# Allegro board 6089-119-RevB_08.brd (continued)
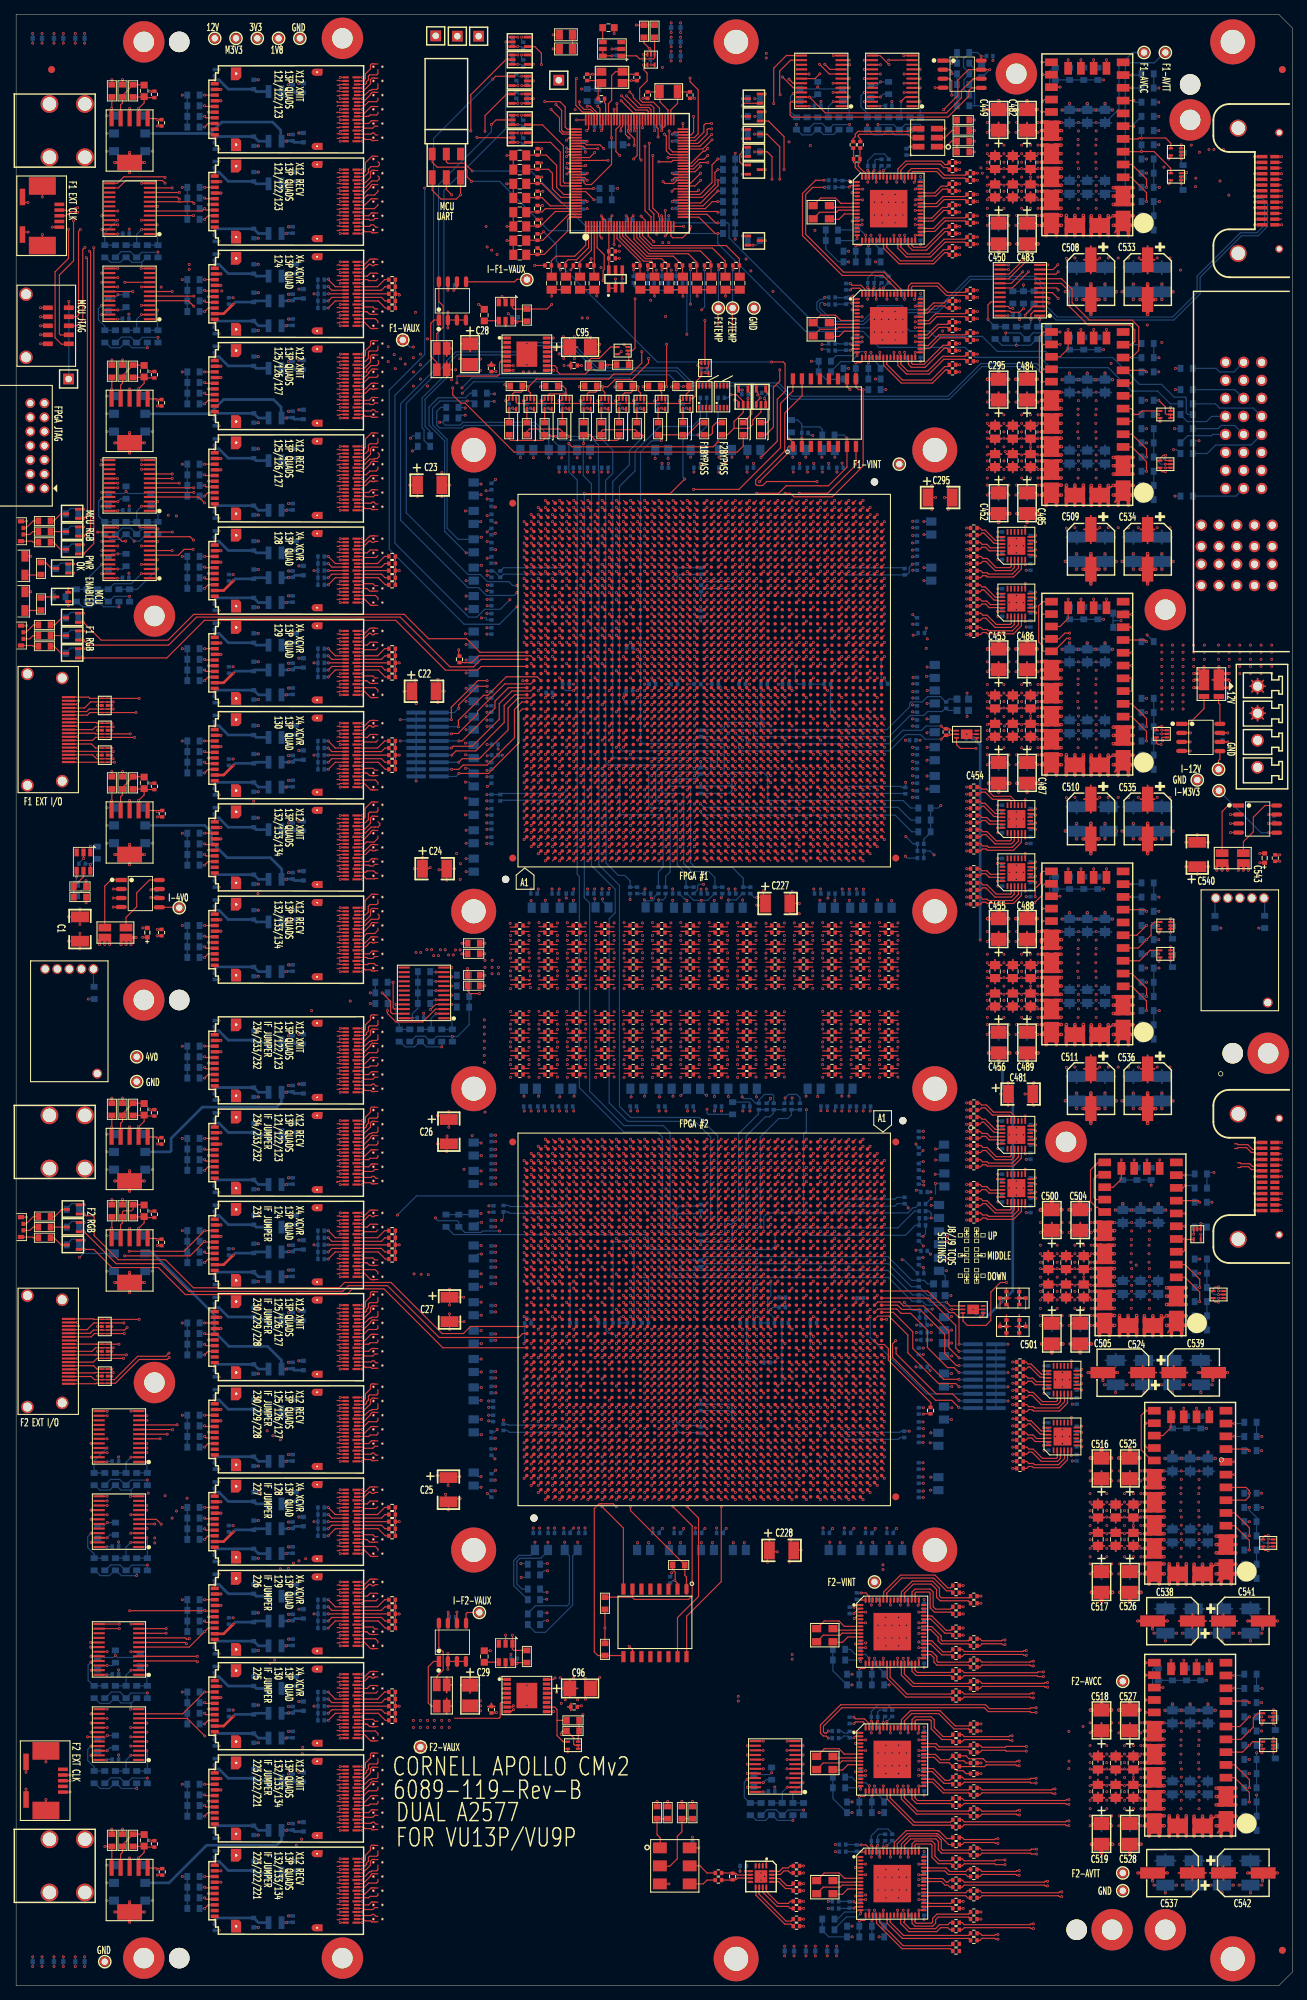
[diagram p0: board, top side]
## Routing (per net, layer and track width the routed paths; a pad name or vN(x,y) marks a point on that pad's centre or on a via; arc(x,y) is an arc through that point) (continued)
I2C_SCL_FPGAS: length 159.9
  TOP w0.165: v1(53.15,141.4) 53.15,137.79 53.32,137.62 U44.22 ; U68.95 80.7,261.65 v1(80.45,261.4)
  PWR4 w0.152: v1(80.55,235) 79.25,233.7 79.25,233.65 79.1,233.5 62.2,233.5 61.6,234.1 53.45,234.1 51.6,232.25 50.5,232.25 49.35,231.1 49.35,143.5 51.45,141.4 v1(53.15,141.4)
  SIG4 w0.079: v1(80.55,235) 80.55,249.05 80.85,249.35 80.85,261 v1(80.45,261.4)
  BOTTOM w0.165: v1(53.15,141.4) R495.1
I2C_SCL_PWR: length 67.3
  TOP w0.165: U68.49 95.7,255.6 v1(96.5,256.4) ; v1(140.5,236.35) 140.1,236.35 139.82,236.62 U102.22
  SIG3 w0.079: v1(96.5,256.4) 97.5,256.4 98.55,255.35 99.75,255.35 99.99,255.59 102.54,255.59 102.79,255.35 118.95,255.35 119.4,254.9 126.65,254.9 127.1,255.35 127.95,255.35 128.35,254.95 135.75,254.95 v1(136.2,255.4)
  SIG4 w0.079: v1(136.2,255.4) 136.2,240.65 v1(140.5,236.35)
  BOTTOM w0.165: R285.1 v1(140.5,236.35)
I2C_SCL_SYN_R0A: length 28.8
  TOP w0.165: U84.5 v1(117.43,267.43) ; U86.16 v1(118.55,246.19)
  SIG4 w0.079: v1(118.55,246.19) 120.03,246.19 120.12,246.29 120.12,248.53 116.75,251.9 116.75,266.74 v1(117.43,267.43)
  BOTTOM w0.165: v1(118.55,246.19) 118.26,245.9 R365.1
I2C_SCL_SYN_R0B: length 51.6
  TOP w0.165: U84.7 v1(117.43,268.73) ; U87.16 v1(118.55,229.69)
  SIG4 w0.079: v1(118.55,229.69) 117.06,229.69 113.25,233.5 113.25,264.4 112.95,264.7 112.95,266.4 115.27,268.73 v1(117.43,268.73)
  BOTTOM w0.165: R372.1 114.86,227.46 116.25,228.85 117.71,228.85 v1(118.55,229.69)
I2C_SCL_SYN_R1A: length 459.5
  TOP w0.165: v1(114,270.75) 114.72,270.02 U84.9 ; U91.16 v1(119.05,10.19)
  PWR3 w0.152: v1(39.5,19.8) 48.95,19.8 50.4,18.35 51.89,18.35 60.04,10.19 v1(119.05,10.19)
  PWR4 w0.152: v1(114,270.75) 111.7,273.05 105.1,273.05 103.79,271.74 92.31,271.74 91.53,272.52 88.62,272.52 88.62,272.52 88.3,272.52 88.3,272.52 75.9,272.52 75.88,272.49 75.54,272.49 75.52,272.52 48.67,272.52 48.39,272.24 26.14,272.24 16.8,262.9 16.8,238.95 16.86,238.89 16.86,238.56 16.8,238.5 16.8,204.33 15.2,202.73 15.2,172.1 3.1,160 3.1,133.3 20.7,115.7 20.7,87.4 21.64,86.46 21.64,85.91 21.66,85.89 21.66,84.11 21.64,84.09 21.64,78.06 21.8,77.9 21.8,66.67 22.41,66.07 22.41,34.74 37.35,19.8 v1(39.5,19.8)
  BOTTOM w0.165: v1(119.05,10.19) 118.56,9.7 117.05,9.7 115.36,8.01 R369.1
I2C_SCL_SYN_R1B: length 392
  TOP w0.165: U84.11 v1(117.43,271.32) ; U90.16 v1(119.05,27.69)
  PWR3 w0.152: v1(119.05,27.69) 119.01,27.65 117.1,27.65 111.75,33 111.75,34.3 93.03,53.02 74.74,53.02 73.42,51.7 46.3,51.7 45.05,52.95 43.55,52.95 38.4,58.1 v1(38.4,58.8)
  PWR4 w0.152: v1(38.4,58.8) 32.05,65.15 32.05,256.95 33.58,258.48 52.33,258.48 58.7,264.85 75.74,264.85 75.93,264.66 76.27,264.66 76.46,264.85 79.8,264.85 80.5,265.55 83.6,265.55 86,267.95 114.06,267.95 v1(117.43,271.32)
  BOTTOM w0.165: v1(119.05,27.69) 118.84,27.9 R363.1
I2C_SCL_SYN_R1C: length 370.5
  TOP w0.165: U84.14 109.17,271.32 107.63,269.78 107.63,266.52 v1(107.7,266.45) ; U89.16 v1(119.05,45.69)
  PWR3 w0.152: v1(119.05,45.69) 117.91,45.69 107.15,56.45 92.3,56.45 91.7,57.05 64.3,57.05 62.5,58.85 40.9,58.85 v1(39.88,59.88)
  PWR4 w0.152: v1(107.7,266.45) 107.4,266.15 105.35,266.15 105.1,266.4 89.55,266.4 86.5,263.35 75.65,263.35 75.2,262.9 60.25,262.9 51.65,254.3 49.7,254.3 47.6,256.4 45.41,256.4 44.06,255.05 38.7,255.05 33.75,250.1 33.75,167.22 33.91,167.07 33.91,166.73 33.69,166.52 33.69,67.21 39.88,61.02 v1(39.88,59.88)
  BOTTOM w0.165: v1(119.05,45.69) 118.84,45.9 R361.1
I2C_SCL_V_3V3_1V8: length 93.9
  TOP w0.165: v1(145.6,237.75) 145.43,237.93 U102.5 ; U108.10 v1(157.25,153.43)
  SIG4 w0.079: v1(145.6,237.75) 145.6,237.7 147.8,235.5 147.8,229.05 150.5,226.35 150.5,212.45 149.9,211.85 149.9,196.2 150.66,195.44 150.66,189.07 150.9,188.83 150.9,162.5 157.65,155.75 157.65,153.82 v1(157.25,153.43)
  BOTTOM w0.165: v1(157.25,153.43) 157.28,153.4 R234.1
I2C_SCL_V_F1_INT_A: length 57
  TOP w0.165: U107.10 v1(157.25,191.43) ; U102.7 146.62,239.22 v1(146.9,238.95)
  SIG4 w0.079: v1(146.9,238.95) 155.8,230.05 155.8,201.29 156.6,200.49 156.6,194.6 157.7,193.5 157.7,191.87 v1(157.25,191.43)
  BOTTOM w0.165: R248.1 157.23,191.4 v1(157.25,191.43)
I2C_SCL_V_F1_INT_B: length 25.2
  TOP w0.165: U102.9 147.38,240.53 148.85,239.05 148.85,237.15 151.3,234.7 157.3,234.7 158.25,233.75 158.25,230.42 v1(157.25,229.43) U106.10
  BOTTOM w0.165: v1(157.25,229.43) 157.28,229.4 R216.1
I2C_SCL_V_F2_INT_A: length 181.5
  TOP w0.165: v1(146.85,242.5) 146.18,241.82 144.3,241.82 ; 170.55,77.42 v1(171.75,77.42)
  SIG4 w0.079: v1(171.75,77.42) 172.5,78.17 172.5,79.55 160.85,91.2 160.85,109.88 160.4,110.33 160.4,122.86 158.8,124.46 158.8,200.25 157.95,201.1 157.95,205.21 157.86,205.31 157.86,205.59 157.95,205.69 157.95,229.95 150.8,237.1 150.8,237.8 147.75,240.85 147.75,241.6 v1(146.85,242.5)
  BOTTOM w0.165: v1(171.75,77.42) 171.78,77.4 R151.1
I2C_SCL_V_F2_INT_B: length 151.1
  TOP w0.165: 138.7,241.82 v1(139.88,241.82) ; v1(164.8,112.75) 164.47,112.42 163.55,112.42
  SIG4 w0.079: v1(164.8,112.75) 162.4,115.15 162.4,129.21 162.31,129.31 162.31,129.59 162.4,129.69 162.4,142 162.25,142.15 162.25,150.38 162.4,150.53 162.4,163.8 161.6,164.6 161.6,167.4 160.85,168.15 160.85,177.65 161.15,177.95 161.15,189.8 159.1,191.85 159.1,208.5 158.5,209.1 158.5,231.05 149.83,239.72 149.83,240.21 147.17,242.87 146.52,242.87 143.7,240.05 141.65,240.05 v1(139.88,241.82)
  BOTTOM w0.165: v1(164.8,112.75) 165.79,112.75 R174.1
I2C_SDA_CLOCKS: length 55.7
  TOP w0.165: v1(97.5,258.9) 97.1,258.5 96.85,258.5 95.15,256.8 U68.52 ; U93.5 134.67,267.42 134.3,267.05 134.3,266.25 131.35,263.3 109.4,263.3 109.1,263.6 109.1,265.31 109.27,265.48 v1(109.6,265.48) 110.7,265.48
  SIG3 w0.079: v1(97.5,258.9) 98.5,258.9 99.4,259.8 v1(108.95,259.8)
  SIG4 w0.079: v1(109.6,265.48) 108.95,264.83 v1(108.95,259.8)
  BOTTOM w0.165: R379.1 110.44,265.48 v1(109.6,265.48)
I2C_SDA_F1_FF1_RECV: length 10.1
  TOP w0.165: U14.6 26.25,250.07 v1(26.57,250.4) 26.77,250.2 U25.7
  BOTTOM w0.165: R544.1 v1(26.57,250.4)
I2C_SDA_F1_FF1_XMIT: length 21.7
  TOP w0.165: v1(26.57,263.4) 26.77,263.2 U24.7 ; U14.4 v1(17.67,248.78)
  SIG2 w0.079: v1(17.67,248.78) 18.65,249.76 18.65,255.48 v1(26.57,263.4)
  BOTTOM w0.165: R540.1 v1(26.57,263.4)
I2C_SDA_F1_FF2_RECV: length 56.2
  TOP w0.165: U28.7 26.77,211.2 v1(26.57,211.4) ; U14.13 14.28,253.97 15.19,254.89 20.91,254.89 v1(21,254.8)
  SIG2 w0.079: v1(26.57,211.4) 26.57,212.08 21.63,217.02 21.63,253.48 21.75,253.6 21.75,254.05 v1(21,254.8)
  BOTTOM w0.165: R556.1 v1(26.57,211.4)
I2C_SDA_F1_FF2_XMIT: length 36.6
  TOP w0.165: v1(26.57,224.4) 26.77,224.2 U27.7 ; U14.10 v1(23,252.68)
  SIG2 w0.079: v1(23,252.68) 22.5,252.18 22.5,250.65 23.77,249.38 23.77,236.28 24.85,235.2 24.85,226.12 v1(26.57,224.4)
  BOTTOM w0.165: R552.1 v1(26.57,224.4)
I2C_SDA_F1_FF3_RECV: length 80.7
  TOP w0.165: U17.13 v1(12.07,214.97) ; U33.7 26.77,146.2 v1(26.57,146.4)
  SIG2 w0.079: v1(26.57,146.4) 23.9,146.4 10.95,159.35 10.95,212.5 12.45,214 12.45,214.59 v1(12.07,214.97)
  BOTTOM w0.165: R576.1 v1(26.57,146.4)
I2C_SDA_F1_FF3_XMIT: length 61.9
  TOP w0.165: U17.10 v1(17.67,213.68) ; v1(26.57,159.4) 26.77,159.2 U32.7
  SIG2 w0.079: v1(17.67,213.68) 17,213.01 17,182.75 20.3,179.45 20.3,166.4 26.57,160.13 v1(26.57,159.4)
  BOTTOM w0.165: R572.1 v1(26.57,159.4)
I2C_SDA_F1_FF4_XCVR: length 23.5
  TOP w0.165: v1(25.08,251.15) 25.1,251.15 24.88,251.38 23.21,251.38 23.17,251.34 22.83,251.34 22.79,251.38 U14.8 ; v1(26.57,237.4) 26.77,237.2 U26.7
  SIG2 w0.079: v1(26.57,237.4) 26.57,238.12 27.15,238.7 27.15,249.08 v1(25.08,251.15)
  BOTTOM w0.165: R548.1 v1(26.57,237.4)
I2C_SDA_F1_FF5_XCVR: length 21.2
  TOP w0.165: v1(26.55,208.95) 25.73,209.78 U17.4 ; U29.7 26.77,198.2 v1(26.57,198.4)
  SIG2 w0.079: v1(26.57,198.4) 26.15,198.82 26.15,208.55 v1(26.55,208.95)
  BOTTOM w0.165: R560.1 v1(26.57,198.4)
I2C_SDA_F1_FF6_XCVR: length 35.2
  TOP w0.165: v1(26.57,185.4) 26.77,185.2 U30.7 ; U17.6 v1(25.05,211.07)
  SIG2 w0.079: v1(26.57,185.4) 24.5,187.47 24.5,210.53 v1(25.05,211.07)
  BOTTOM w0.165: R564.1 v1(26.57,185.4)
I2C_SDA_F1_FF7_XCVR: length 47.6
  TOP w0.165: v1(26.57,172.4) 26.77,172.2 U31.7 ; U17.8 v1(22,212.38)
  SIG2 w0.079: v1(26.57,172.4) 24.75,174.22 24.75,174.8 22.6,176.95 22.6,200.85 21.64,201.81 21.64,202.06 21.63,202.07 21.63,204.95 22,205.32 v1(22,212.38)
  BOTTOM w0.165: R568.1 v1(26.57,172.4)
I2C_SDA_F1_GENERIC: length 64.6
  TOP w0.165: U44.8 v1(61.4,140.88) ; U75.J32 v1(79.61,190.29)
  SIG2 w0.079: v1(79.61,190.29) 79.61,190.26 79.15,189.8 71.45,189.8 71.15,189.5 71.15,184.12 71.08,184.04 71.08,183.76 71.15,183.68 71.15,171.25 61.2,161.3 61.2,146.01 60.6,145.4 60.6,141.68 v1(61.4,140.88)
  BOTTOM w0.165: R476.1 61.43,140.9 v1(61.4,140.88)
I2C_SDA_F1_GTY_PWR: length 39.8
  TOP w0.165: U102.15 139.97,241.18 141.95,243.15 v1(141.95,243.7) ; U105.11 v1(157.25,269.23)
  SIG2 w0.079: v1(141.95,243.7) 142.95,243.7 145.65,246.4 145.65,253.61 146.99,254.95 146.99,255.02 147.19,255.22 147.26,255.22 150.04,258.01 150.04,258.07 150.9,258.93 150.9,261.69 157.25,268.04 v1(157.25,269.23)
  BOTTOM w0.165: v1(157.25,269.23) 158.46,269.23 R203.1
I2C_SDA_F1_OPTICS: length 142.5
  TOP w0.165: U17.23 v1(12.1,208.47) ; v1(92.05,261.35) 92.05,258.9 92.55,258.4 U68.56 ; U14.23 v1(12.1,247.47)
  SIG2 w0.079: v1(12.1,208.47) 13,209.38 13,217.85 12.2,218.65 12.2,234.45 11.7,234.95 11.7,247.08 v1(12.1,247.47)
  SIG3 w0.079: v1(92.05,261.35) 91.05,262.35 73,262.35 67.07,268.28 67.05,268.28 66.83,268.5 66.83,268.52 64.2,271.15 51.15,271.15 37.5,271.15 26.7,260.35 23.6,260.35 17.57,254.32 17.55,254.32 17.35,254.12 17.35,254.1 12.1,248.85 v1(12.1,247.47)
  BOTTOM w0.165: v1(12.1,208.47) 12.16,208.54 R660.1
I2C_SDA_F1_SYSMON: length 80.6
  TOP w0.165: U75.BC16 v1(114.39,173.51) ; U44.10 v1(61.4,142.18)
  SIG1 w0.079: v1(114.39,173.51) 114.36,173.51 113.95,173.1 73.23,173.1 73.15,173.02 73.15,155.8 65.05,147.7 65.05,144.25 62.98,142.18 v1(61.4,142.18)
  BOTTOM w0.165: v1(61.4,142.18) 61.91,142.18 R475.1
I2C_SDA_F2_FF1_RECV: length 47.1
  TOP w0.165: U9.6 v1(20.3,77.08) ; U35.7 26.77,116.2 v1(26.57,116.4)
  SIG1 w0.079: v1(26.57,116.4) 24.45,114.28 24.45,93.8 23.5,92.85 23.5,82.9 20.35,79.75 20.35,77.12 v1(20.3,77.08)
  BOTTOM w0.165: R584.1 v1(26.57,116.4)
I2C_SDA_F2_FF1_XMIT: length 61.2
  TOP w0.165: v1(26.57,129.4) 26.77,129.2 U34.7 ; U9.4 v1(18.43,75.78)
  SIG1 w0.079: v1(26.57,129.4) 17.75,120.58 17.75,113.56 17.74,113.54 17.74,113.26 17.75,113.25 17.75,99.26 17.74,99.24 17.74,98.96 17.75,98.95 17.75,93.1 17.38,92.73 17.38,76.83 v1(18.43,75.78)
  BOTTOM w0.165: R580.1 v1(26.57,129.4)
I2C_SDA_F2_FF2_RECV: length 18.6
  TOP w0.165: U38.7 26.77,77.2 v1(26.57,77.4) ; U9.13 v1(12.83,80.97)
  SIG3 w0.079: v1(26.57,77.4) 22.4,77.4 21.25,78.55 15.26,78.55 v1(12.83,80.97)
  BOTTOM w0.165: R596.1 v1(26.57,77.4)
I2C_SDA_F2_FF2_XMIT: length 17.5
  TOP w0.165: v1(26.57,90.4) 26.77,90.2 U37.7 ; U9.10 v1(18.45,79.67)
  SIG4 w0.079: v1(18.45,79.67) 25.85,87.08 25.85,89.68 v1(26.57,90.4)
  BOTTOM w0.165: R592.1 v1(26.57,90.4)
I2C_SDA_F2_FF3_RECV: length 49
  TOP w0.165: U11.13 v1(14.55,50.98) ; U43.7 26.77,12.2 v1(26.57,12.4)
  SIG2 w0.079: v1(26.57,12.4) 25.85,12.4 15.1,23.15 15.1,50.42 v1(14.55,50.98)
  BOTTOM w0.165: R616.1 v1(26.57,12.4)
I2C_SDA_F2_FF3_XMIT: length 34.4
  TOP w0.165: U42.7 26.77,25.2 v1(26.57,25.4) ; U11.10 v1(21.15,49.67)
  SIG2 w0.079: v1(26.57,25.4) 23.45,25.4 21.15,27.7 v1(21.15,49.67)
  BOTTOM w0.165: R612.1 v1(26.57,25.4)
I2C_SDA_F2_FF4_XCVR: length 33.9
  TOP w0.165: v1(22.05,78.35) 22.02,78.38 U9.8 ; U36.7 26.77,103.2 v1(26.57,103.4)
  SIG1 w0.079: v1(22.05,78.35) 22.05,80.25 24.5,82.7 24.5,92.65 25.55,93.7 25.55,102.38 v1(26.57,103.4)
  BOTTOM w0.165: R588.1 v1(26.57,103.4)
I2C_SDA_F2_FF5_XCVR: length 30.2
  TOP w0.165: v1(25.55,45.65) 25.43,45.77 U11.4 ; U39.7 26.77,64.2 v1(26.57,64.4)
  SIG2 w0.079: v1(25.55,45.65) 25,46.2 25,62.83 v1(26.57,64.4)
  BOTTOM w0.165: R600.1 v1(26.57,64.4)
I2C_SDA_F2_FF6_XCVR: length 15.5
  TOP w0.165: v1(26.57,51.4) 26.77,51.2 U40.7 ; 17.3,47.08 v1(16.17,47.08)
  SIG3 w0.079: v1(16.17,47.08) 19.82,47.08 24.15,51.4 v1(26.57,51.4)
  BOTTOM w0.165: R604.1 v1(26.57,51.4)
I2C_SDA_F2_FF7_XCVR: length 19.9
  TOP w0.165: v1(24,48.2) 23.82,48.38 U11.8 ; U41.7 26.77,38.2 v1(26.57,38.4)
  SIG2 w0.079: v1(24,48.2) 24.55,47.65 24.55,40.42 v1(26.57,38.4)
  BOTTOM w0.165: R608.1 v1(26.57,38.4)
I2C_SDA_F2_GENERIC: length 107.3
  TOP w0.165: v1(61.4,138.28) U44.4 59.12,138.28 v1(58.4,137.55) ; U77.J32 v1(114.39,87.51)
  PWR3 w0.152: v1(114.39,87.51) 114.39,87.56 113.9,88.05 113.9,99.6 113.7,99.8 68.3,99.8 67.9,99.4 64.65,99.4 58.4,105.65 v1(58.4,137.55)
  BOTTOM w0.165: R478.1 61.76,138.27 61.76,138.28 v1(61.4,138.28)
I2C_SDA_F2_GTY_PWR: length 225.4
  TOP w0.165: v1(141.9,241.5) 140.28,239.88 U102.17 ; U118.11 v1(171.75,43.73)
  SIG4 w0.079: v1(141.9,241.5) 142.27,241.13 142.85,241.13 145.62,243.9 148.21,243.9 160.45,231.66 160.45,201.7 164.45,197.7 164.45,194.6 165.1,193.95 165.1,161.8 164.56,161.26 164.56,119.25 165.55,118.26 165.55,90.65 172.85,83.35 172.85,44.82 v1(171.75,43.73)
  BOTTOM w0.165: v1(171.75,43.73) 172.96,43.73 R160.1
I2C_SDA_F2_OPTICS: length 295.3
  TOP w0.165: U9.23 v1(10.6,74.47) ; U68.54 v1(91.9,257.6) ; U11.23 v1(10.6,44.48)
  SIG1 w0.079: v1(37.25,76.92) 37.25,79.9 36.35,80.8 36.35,234.3 46,243.95 v1(67.8,243.95)
  SIG2 w0.079: v1(10.6,74.47) 9.8,73.68 9.8,45.27 v1(10.6,44.48)
  SIG3 w0.079: v1(10.6,74.47) 11.62,73.46 25.11,73.46 28.57,76.92 v1(37.25,76.92) ; v1(92,245.61) 90.34,243.95 v1(67.8,243.95)
  SIG4 w0.079: v1(92,245.61) 92.95,246.56 92.95,256.55 v1(91.9,257.6)
  BOTTOM w0.165: R672.1 10.66,44.54 v1(10.6,44.48)
I2C_SDA_F2_SYSMON: length 54.9
  TOP w0.165: U44.6 v1(61.4,139.57) ; U77.BC16 v1(79.61,104.29)
  PWR3 w0.152: v1(79.61,104.29) 79.59,104.29 79.1,103.8 64.35,103.8 62.25,105.9 62.25,138.73 v1(61.4,139.57)
  BOTTOM w0.165: R477.1 61.96,139.57 v1(61.4,139.57)
I2C_SDA_FPGAS: length 161.6
  TOP w0.165: v1(51.6,139.9) 52.8,138.7 52.8,137.2 53.02,136.97 U44.23 ; U68.96 v1(79,262.9)
  PWR4 w0.152: v1(79.8,235) 78.85,234.05 70.79,234.05 70.76,234.02 70.44,234.02 70.04,234.42 53.22,234.42 51.55,232.75 50.25,232.75 48.25,230.75 48.25,142.8 51.15,139.9 v1(51.6,139.9)
  SIG4 w0.079: v1(79.8,235) 79.8,262.1 v1(79,262.9)
  BOTTOM w0.165: v1(51.6,139.9) R496.1
I2C_SDA_PWR: length 69.4
  TOP w0.165: U102.23 140.07,235.97 140.25,235.8 141.45,235.8 141.95,236.3 v1(142,236.3) ; v1(97.5,256.9) 96.4,256.9 95.5,256 U68.50
  SIG3 w0.079: v1(97.5,256.9) 119.15,256.9 119.6,256.45 135.7,256.45 v1(136,256.15)
  SIG4 w0.079: v1(136,256.15) 136.15,256.15 137.55,254.75 137.55,240.75 v1(142,236.3)
  BOTTOM w0.165: R283.1 v1(142,236.3)
I2C_SDA_SYN_R0A: length 28.3
  TOP w0.165: U84.4 v1(115.17,266.77) ; U86.18 v1(119.75,246.66)
  SIG4 w0.079: v1(115.17,266.77) 115.6,266.34 115.6,250.3 119.24,246.66 v1(119.75,246.66)
  BOTTOM w0.165: v1(119.75,246.66) 119.01,247.4 R364.1
I2C_SDA_SYN_R0B: length 49.2
  TOP w0.165: U87.18 v1(119.75,230.16) ; U84.6 v1(115.17,268.07)
  SIG4 w0.079: v1(119.75,230.16) 119.06,230.85 116.69,230.85 114.45,233.09 114.45,267.36 v1(115.17,268.07)
  BOTTOM w0.165: R371.1 114.86,228.96 115.6,229.7 117.85,229.7 118.4,230.25 119.66,230.25 v1(119.75,230.16)
I2C_SDA_SYN_R1A: length 444.3
  TOP w0.165: v1(113.25,270.75) 114.62,269.38 U84.8 ; U91.18 v1(120.25,10.66)
  PWR3 w0.152: v1(40.25,20.65) 40.55,20.35 51.6,20.35 60.55,11.4 119.51,11.4 v1(120.25,10.66)
  PWR4 w0.152: v1(113.25,270.75) 91.95,270.75 91.15,271.55 83.84,271.55 83.75,271.65 27.45,271.65 21.4,265.6 21.4,254.97 21.41,254.97 21.41,254.63 21.4,254.63 21.4,254.17 21.41,254.17 21.41,253.83 21.4,253.83 21.4,210.5 22.1,209.8 22.1,206.6 22.6,206.1 22.6,192.4 20.5,190.3 20.5,116.9 22.6,114.8 22.6,80.1 23.3,79.4 23.3,68.93 23.8,68.43 23.8,67.57 23.81,67.56 23.81,67.24 23.8,67.23 23.8,54.57 23.81,54.56 23.81,54.24 23.8,54.23 23.8,50.8 23.59,50.59 23.59,43.81 25.1,42.3 25.1,34.1 38.55,20.65 v1(40.25,20.65)
  BOTTOM w0.165: R368.1 115.8,9.4 116.8,10.4 118.4,10.4 118.7,10.7 120.21,10.7 v1(120.25,10.66)
I2C_SDA_SYN_R1B: length 392.4
  TOP w0.165: U90.18 120.25,28.19 v1(120.27,28.19) ; 116.3,270.68 v1(117.5,270.68)
  PWR3 w0.152: v1(120.27,28.19) 117.66,28.19 112.7,33.15 112.7,34.35 93.65,53.4 73.8,53.4 70.75,56.45 63.55,56.45 61.65,58.35 40.3,58.35 v1(39.1,59.55)
  PWR4 w0.152: v1(117.5,270.68) 117.5,269.8 114.85,267.15 88.05,267.15 84.75,263.85 72.4,263.85 72.31,263.94 59.04,263.94 51.5,256.4 50.05,256.4 48.95,257.5 34,257.5 32.9,256.4 32.9,65.4 38.75,59.55 v1(39.1,59.55)
  BOTTOM w0.165: v1(120.27,28.19) 120.25,28.19 120.25,28.16 119.81,28.6 118.6,28.6 117.8,29.4 R362.1
I2C_SDA_SYN_R1C: length 374
  TOP w0.165: U89.18 v1(120.25,46.16) ; 110.7,271.98 108.58,271.98 106.8,270.2 v1(106.8,265.2)
  PWR3 w0.152: v1(120.25,46.16) 119.54,46.16 107.9,57.8 73.4,57.8 72.85,58.35 63.95,58.35 62.82,59.48 41.52,59.48 v1(40.83,60.17)
  PWR4 w0.152: v1(40.83,60.17) 40.83,61.27 34.6,67.5 34.6,246.95 35.05,247.4 42.3,247.4 43.8,245.9 51.35,245.9 52.7,247.25 52.7,254 60.45,261.75 75,261.75 75.55,262.3 75.83,262.3 75.83,262.31 76.17,262.31 76.17,262.3 86.45,262.3 89.6,265.45 106.55,265.45 v1(106.8,265.2)
  BOTTOM w0.165: v1(120.25,46.16) 119.71,46.7 118.3,46.7 117.6,47.4 R360.1
I2C_SDA_V_3V3_1V8: length 90.7
  TOP w0.165: U108.11 v1(157.25,155.22) ; U102.4 145.43,237.28 v1(145.6,237.1)
  SIG4 w0.079: v1(145.6,237.1) 145.6,229.63 148.5,226.73 148.5,197.85 149.1,197.25 149.1,174.39 150,173.49 150,162.48 v1(157.25,155.22)
  BOTTOM w0.165: v1(157.25,155.22) 158.46,155.22 R233.1
I2C_SDA_V_F1_INT_A: length 53.9
  TOP w0.165: v1(146.9,237.75) 146.07,238.57 U102.6 ; U107.11 v1(157.25,193.22)
  SIG4 w0.079: v1(146.9,237.75) 151.55,233.1 151.55,211.9 154.45,209 154.45,196.03 v1(157.25,193.22)
  BOTTOM w0.165: v1(157.25,193.22) 156.54,193.22 R247.1
I2C_SDA_V_F1_INT_B: length 22.3
  TOP w0.165: U102.8 147.33,239.88 148.45,238.76 148.45,236.65 151.1,234 157,234 157.7,233.3 157.7,231.67 v1(157.25,231.22) U106.11
  BOTTOM w0.165: R215.1 158.46,231.22 v1(157.25,231.22)
I2C_SDA_V_F2_INT_A: length 179.2
  TOP w0.165: U102.10 146.57,241.18 v1(146.9,241.5) ; 170.55,79.22 v1(171.75,79.22)
  SIG4 w0.079: v1(171.75,79.22) 171.75,79.33 159.7,91.38 159.7,94.3 158.4,95.6 158.4,109.83 156.85,111.38 156.85,128.85 158,130 158,167.16 157.86,167.31 157.86,167.59 158,167.74 158,200 156.46,201.54 156.46,208.74 156.7,208.99 156.7,229.75 148.35,238.1 148.35,238.8 146.9,240.25 v1(146.9,241.5)
  BOTTOM w0.165: R150.1 172.96,79.22 v1(171.75,79.22)
I2C_SDA_V_F2_INT_B: length 149.6
  TOP w0.165: 163.55,114.22 v1(164.75,114.22) ; U102.13 v1(139.88,242.47)
  SIG4 w0.079: v1(164.75,114.22) 163.75,115.23 163.75,178.15 162.4,179.5 162.4,189.5 159.9,192 159.9,193 159.88,193.02 159.88,194.78 159.9,194.8 159.9,230.8 153.45,237.25 153.36,237.25 153.16,237.45 153.16,237.54 152.99,237.71 152.99,237.74 152.79,237.94 152.76,237.94 147.3,243.4 145.8,243.4 143.05,240.65 141.7,240.65 v1(139.88,242.47)
  BOTTOM w0.165: v1(164.75,114.22) 165.96,114.22 R173.1
ID_EEPROM_WP: length 74
  TOP w0.165: v1(137.24,269.99) U93.7 134.24,269.99 132.75,268.5 132.75,266.35 v1(130.75,264.35) ; v1(81.55,258.3) 80.85,257.6 U68.107
  SIG3 w0.079: v1(78.8,264.35) 79.2,263.95 105.01,263.95 105.46,264.39 105.74,264.39 105.78,264.35 v1(130.75,264.35)
  SIG4 w0.079: v1(78.8,264.35) 81.1,262.05 81.1,258.75 v1(81.55,258.3)
  BOTTOM w0.165: v1(137.24,269.99) 136.19,268.94 R288.2
JTAG_FROM_SM: length 42
  TOP w0.165: U78.2 v1(97.1,234.65) ; v1(83.45,257.2) 83.08,257.2 83.07,257.21 82.73,257.21 82.72,257.2 U68.108
  SIG4 w0.079: v1(97.1,234.65) 91.3,234.65 88.47,237.48 88.47,252.18 v1(83.45,257.2)
LOVF1_C2C_OK: length 99.8
  TOP w0.165: v1(67,262.25) 67.65,262.9 U54.2 ; U75.L35 v1(81.61,193.29)
  SIG4 w0.079: v1(81.61,193.29) 81.61,193.46 82,193.85 82,195.5 81.65,195.85 71.05,195.85 v1(70.6,196.3)
  BOTTOM w0.165: v1(67,262.25) 67,261.25 59.55,253.8 59.55,228.25 54.2,222.9 54.2,206.5 63.7,197 65.2,197 66.3,195.9 70.2,195.9 v1(70.6,196.3)
LOVF1_TO_MCU: length 108.7
  TOP w0.165: U50.2 v1(69.05,273.9) ; U75.M36 v1(82.61,194.29)
  SIG4 w0.079: v1(70.6,197.3) 71.1,196.8 82.8,196.8 83.1,196.5 83.1,194.95 82.61,194.46 v1(82.61,194.29)
  BOTTOM w0.165: v1(70.6,197.3) 70,197.3 69.45,197.85 66.45,197.85 65.45,198.85 63.7,198.85 55,207.55 55,222.95 60.3,228.25 60.3,252.95 69,261.65 69,273.85 v1(69.05,273.9)
LOVF2_C2C_OK: length 272.4
  TOP w0.165: v1(64.95,260.45) 65,260.4 U55.2 ; U77.L35 v1(112.39,84.51)
  PWR3 w0.152: v1(57.1,100.25) 59.58,97.77 61.26,97.77 61.29,97.8 111.45,97.8 111.9,97.35 111.9,85.05 112.39,84.56 v1(112.39,84.51)
  PWR4 w0.152: v1(57.1,100.25) 56.72,100.25 52.12,104.85 41.9,104.85 36.15,110.6 36.15,243.2 37.45,244.5 52.25,244.5 54.35,246.6 54.35,253.5 61.3,260.45 v1(64.95,260.45)
LOVF2_TO_MCU: length 283.3
  TOP w0.165: U77.M36 v1(111.39,83.51) ; v1(64.1,261.34) 64.1,266.45 69.1,271.45 69.86,271.45 U51.2
  PWR3 w0.152: v1(56.1,100.3) 59.9,96.5 63.4,96.5 63.7,96.8 110.6,96.8 110.9,96.5 110.9,84 v1(111.39,83.51)
  PWR4 w0.152: v1(64.1,261.34) 64.1,261.35 63.8,261.05 60.85,261.05 53.55,253.75 53.55,247.05 51.7,245.2 35.9,245.2 35.4,244.7 35.4,108.37 39.97,103.8 43.83,103.8 43.84,103.81 44.18,103.81 44.18,103.8 50.9,103.8 54.4,100.3 v1(56.1,100.3)
LOVMCU_TO_F1: length 111.3
  TOP w0.165: v1(67.2,268.65) 67.61,269.06 U52.4 ; U75.L33 v1(81.61,191.29)
  SIG4 w0.079: v1(69.6,195.3) 70.05,194.85 80.65,194.85 81.05,194.45 81.05,191.75 81.51,191.29 v1(81.61,191.29)
  BOTTOM w0.165: v1(67.2,268.65) 58.85,260.3 58.85,229.55 53.4,224.1 53.4,203.25 63.8,192.85 64.96,192.85 66.06,193.95 68.25,193.95 v1(69.6,195.3)
LOVMCU_TO_F2: length 272.6
  TOP w0.165: U77.L33 v1(112.39,86.51) ; U53.4 69.9,266.55 69.15,266.55 66.1,263.5 v1(66.1,261.3)
  PWR3 w0.152: v1(112.39,86.51) 112.51,86.51 112.95,86.95 112.95,98.4 112.55,98.8 68.35,98.8 67.95,98.4 67,98.4 66.53,98.87 59.43,98.87 v1(58.1,100.2)
  PWR4 w0.152: v1(66.1,261.3) 66.1,260.3 65.55,259.75 62,259.75 55.2,252.95 55.2,245.8 53.2,243.8 45.85,243.8 37.05,235 37.05,111.6 39.8,108.85 42.7,108.85 43.8,109.95 51.45,109.95 58.1,103.3 v1(58.1,100.2)
MCU_ENABLED: length 159.6
  TOP w0.165: Q2.1 v1(7.35,194.5) ; U70.4 88.46,270.66 v1(88.45,270.65) 88.45,270 88.95,269.5 88.95,268.4 87.9,267.35 87.9,265.8 88.3,265.4 89.85,265.4 90.7,264.55 U68.70
  SIG1 w0.079: v1(88.45,270.65) 75.4,270.65 74.4,271.65 30.9,271.65 28.91,269.66 28.61,269.66 27.87,268.92 27.85,268.92 27.63,268.71 27.63,268.68 22.6,263.65 v1(22.6,207.1)
  SIG3 w0.079: v1(22.6,207.1) 14.17,198.67 14.13,198.67 13.93,198.47 13.93,198.43 10,194.5 v1(7.35,194.5)
  BOTTOM w0.165: v1(7.35,194.5) 6.96,194.89 R692.1
MCU_LED_BLUE: length 113.9
  TOP w0.165: v1(77.6,257.75) 77.85,258 U68.106 ; v1(9.9,243.5) 10.05,243.35 10.05,207.3 v1(9.5,206.75) Q3.1
  SIG3 w0.079: v1(77.6,257.75) 76.1,256.25 45.21,256.25 43.91,254.95 36.7,254.95 25.25,243.5 v1(9.9,243.5)
  BOTTOM w0.165: v1(9.5,206.75) 8.85,207.4 R685.2
MCU_LED_GREEN: length 117.4
  TOP w0.165: Q4.1 v1(9.5,204.25) 10.5,205.25 10.5,244.25 v1(10.35,244.4) ; v1(77.6,258.39) 77.6,258.4 U68.105
  SIG3 w0.079: v1(77.6,258.39) 77.6,258.4 76.4,258.4 75.45,257.45 53.55,257.45 52.85,258.15 50.2,258.15 49.4,257.35 37.45,257.35 25.3,245.2 20.44,245.2 19.64,244.4 v1(10.35,244.4)
  BOTTOM w0.165: R686.2 8.85,204.9 v1(9.5,204.25)
MCU_LED_RED: length 119.4
  TOP w0.165: v1(77.6,258.95) 77.75,258.8 U68.104 ; Q5.1 v1(9.5,201.75) 10.95,203.2 v1(10.95,244.9)
  SIG4 w0.079: v1(77.6,258.95) 75.9,258.95 75.45,258.5 49.65,258.5 48.85,257.7 37.1,257.7 24.3,244.9 v1(10.95,244.9)
  BOTTOM w0.165: R687.2 8.85,202.4 v1(9.5,201.75)
MCU_VREFA: length 6.1
  TOP w0.165: U65.6 C117.1 C116.1 83.55,247.85 U68.9
MCUEN_1V8: length 186.4
  TOP w0.165: v1(162.74,148.42) U113.1 U113.2 ; v1(87.05,257.4) 87.55,257.9 87.55,261.65 87.5,261.7 U68.78
  SIG1 w0.079: v1(87.05,257.4) 87.1,257.4 88.05,258.35 100.05,258.35 100.6,258.9 125.79,258.9 125.9,258.79 126.19,258.79 126.3,258.9 145.65,258.9 146.74,257.81 147.39,257.81 151,254.2 153.25,254.2 157.86,249.59 157.86,243.31 157.95,243.21 157.95,205.69 157.86,205.59 157.86,177.79 162.1,173.55 162.1,149.06 v1(162.74,148.42)
  BOTTOM w0.165: v1(162.74,148.42) 162.74,147.8 R197.2
MCUEN_3V3: length 188.6
  TOP w0.165: v1(162.74,144.42) U114.1 U114.2 ; v1(88.1,257.25) 87.9,257.45 U68.77
  SIG1 w0.079: v1(162.74,144.42) 162.74,145.21 158.81,149.14 158.81,169.08 156.8,171.09 156.8,204.96 157.14,205.31 157.14,208.74 156.46,209.43 156.46,249.79 154.15,252.1 151.85,252.1 147.34,256.61 147.17,256.61 146.42,257.35 102.78,257.35 102.46,257.03 99.23,257.03 98.15,255.95 89.4,255.95 v1(88.1,257.25)
  BOTTOM w0.165: R198.2 162.74,143.8 v1(162.74,144.42)
MCUEN_F1_AVCC: length 89.1
  TOP w0.165: U116.2 U116.1 v1(164.24,253.92) ; U68.82 85.9,260.87 v1(86.4,260.37)
  SIG1 w0.079: v1(164.24,253.92) 162.97,253.92 162.64,254.24 160.01,254.24 150.35,263.9 150.35,264.2 149.75,264.8 122.5,264.8 122.09,264.39 93.54,264.39 90.89,261.74 90.86,261.74 90.66,261.54 90.66,261.51 89.52,260.37 v1(86.4,260.37)
  BOTTOM w0.165: R196.2 164.24,253.3 v1(164.24,253.92)
MCUEN_F1_AVTT: length 89.6
  TOP w0.165: v1(164.24,257.42) U115.1 U115.2 ; U68.83 85.5,262 85.25,261.75 v1(85.25,261.35)